# Altium PCB spd150.PcbDoc (part 1 of 16) (continued)
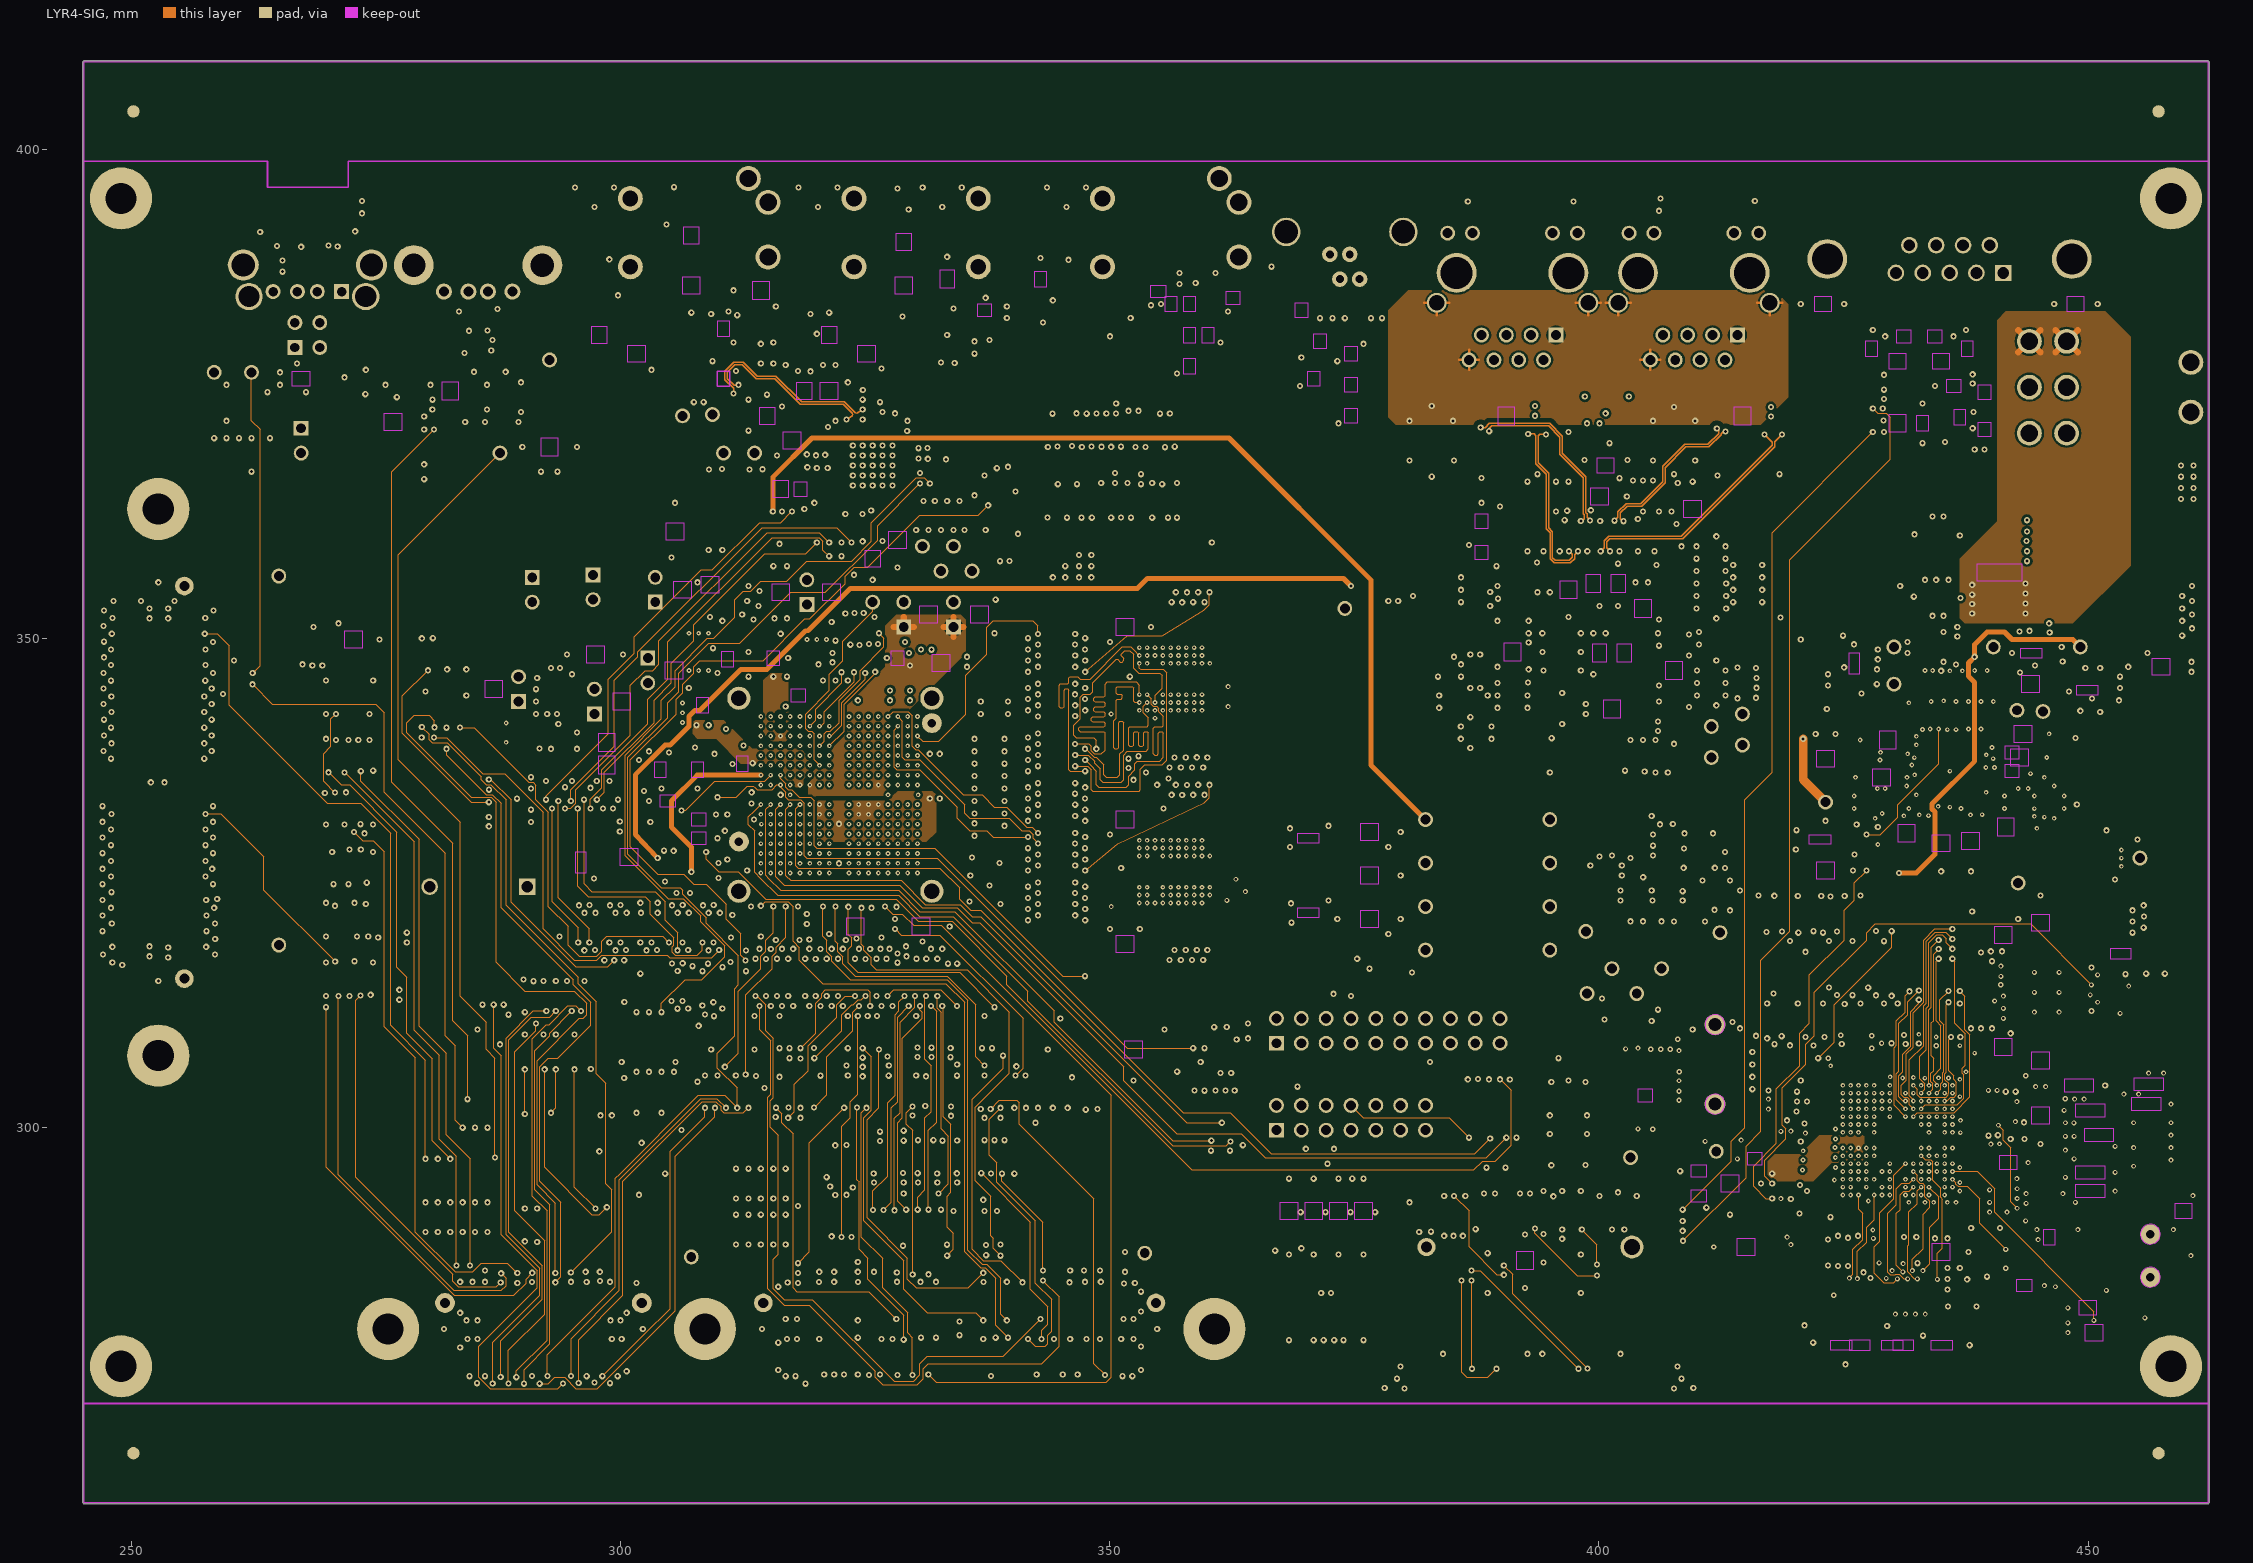
[diagram p4: LYR4-SIG]
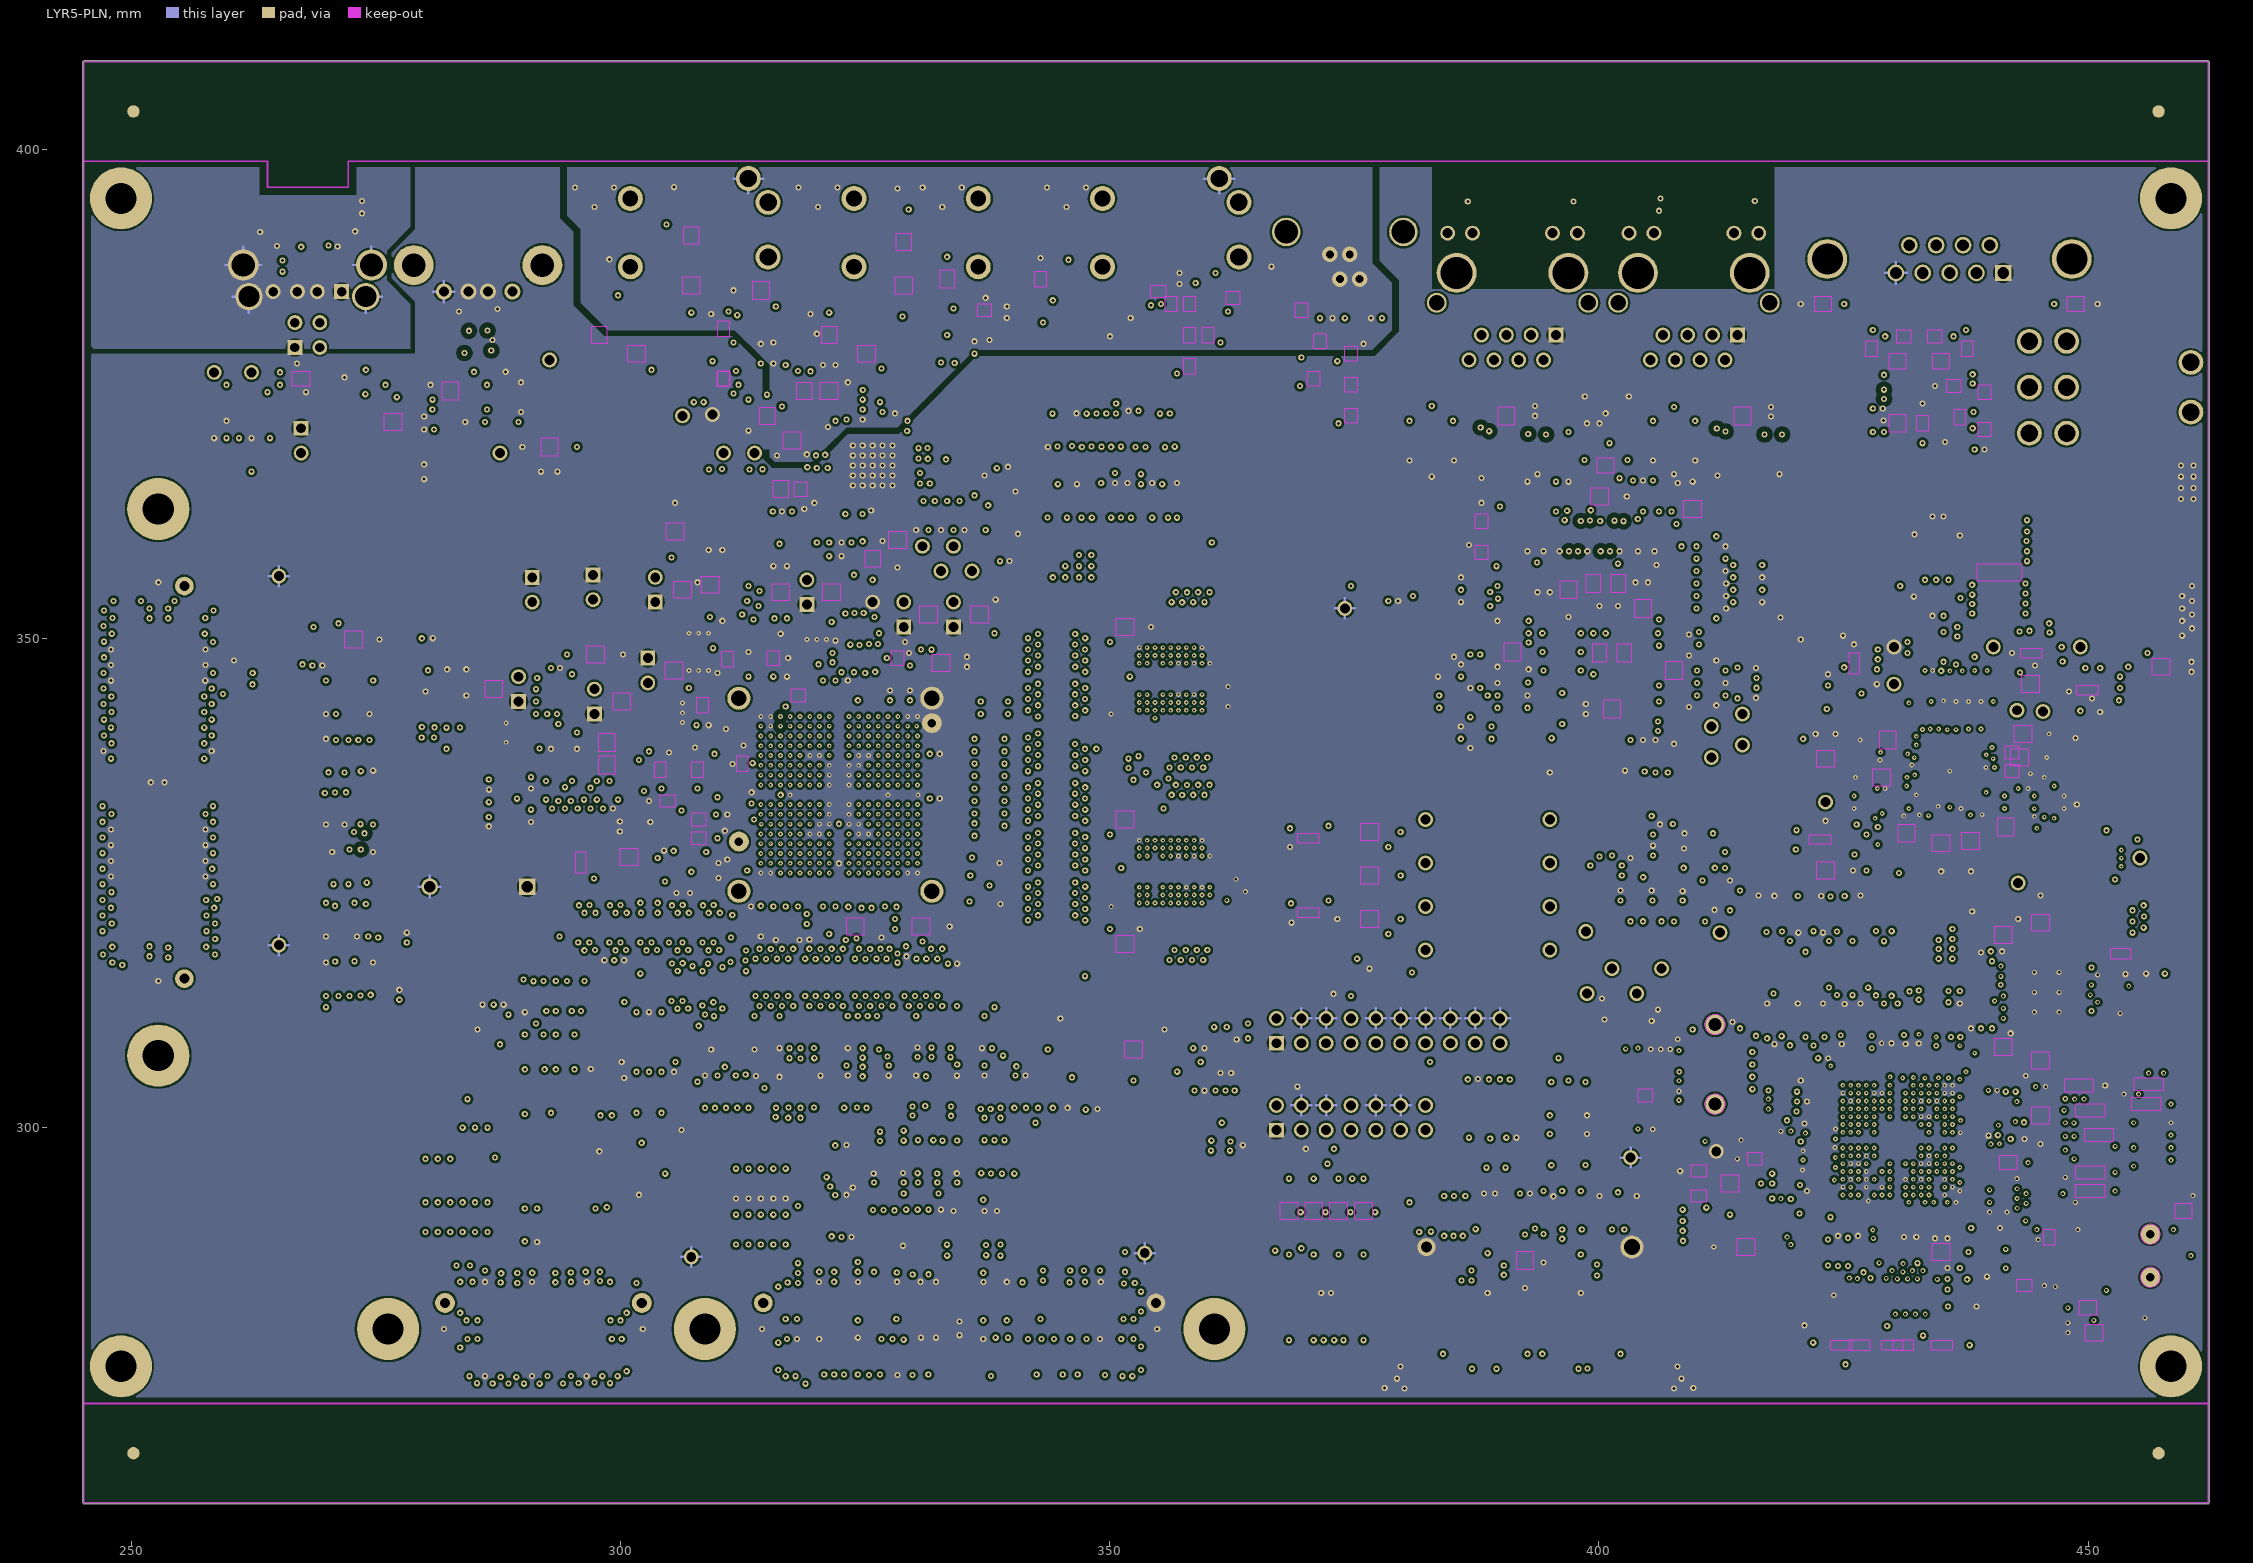
[diagram p5: LYR5-PLN]
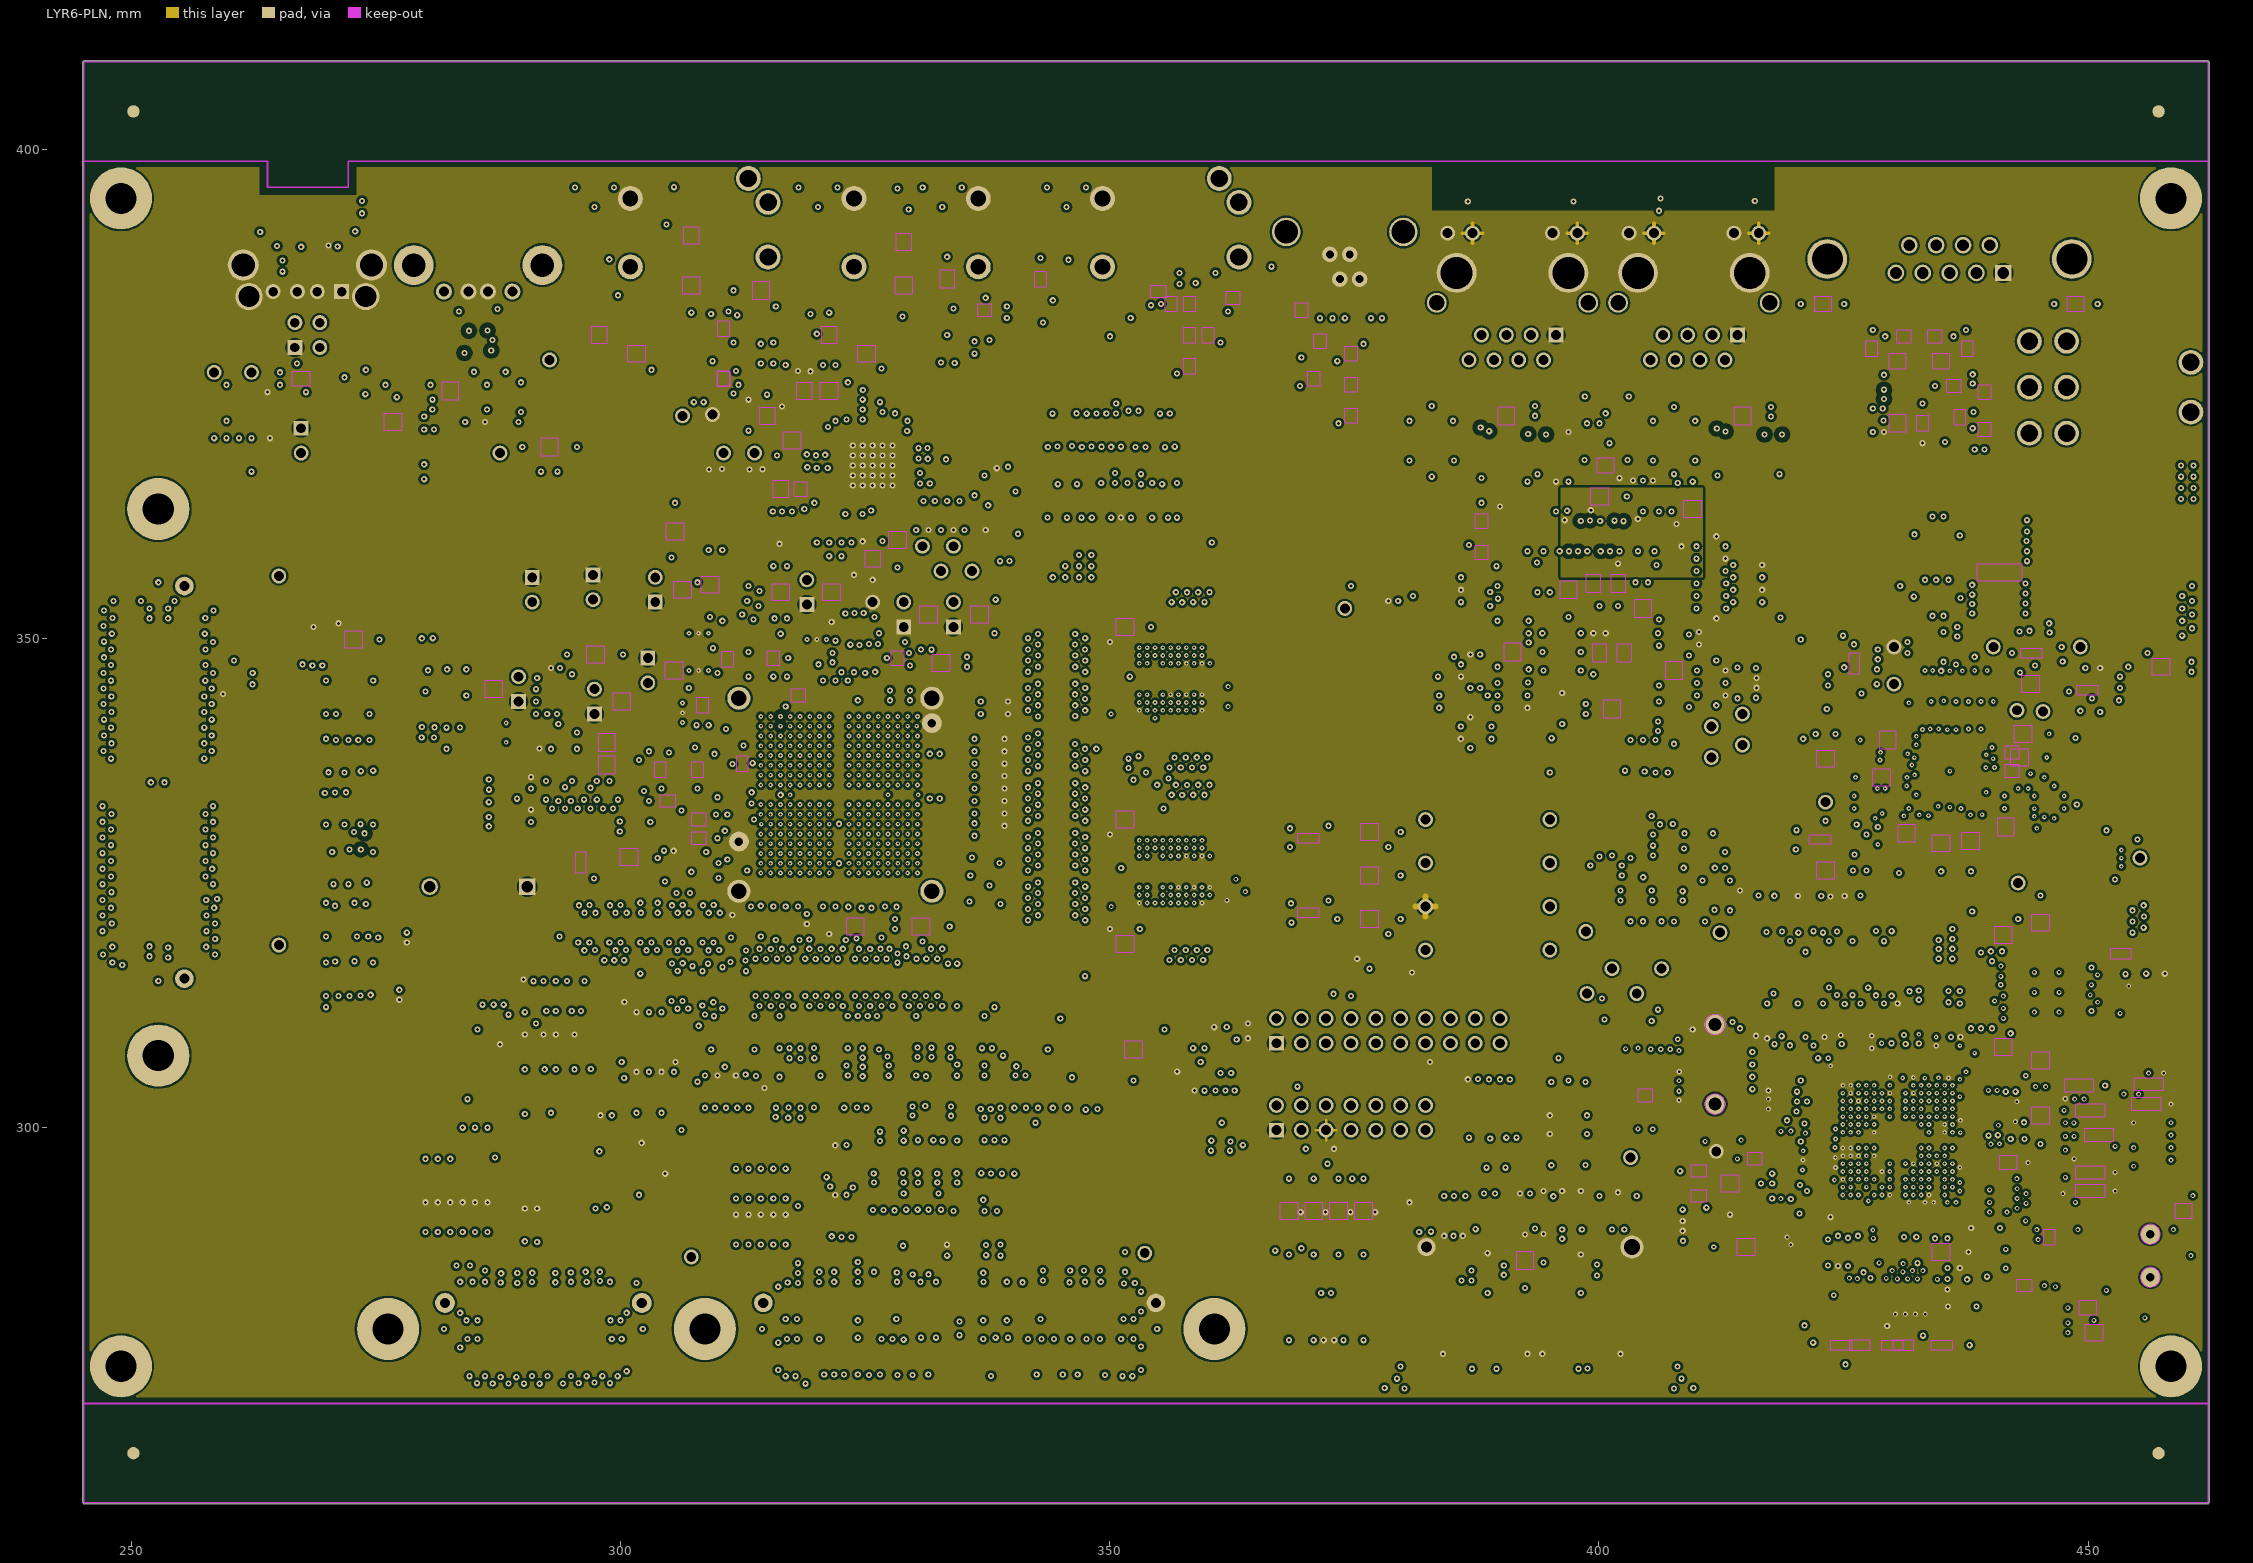
[diagram p6: LYR6-PLN]
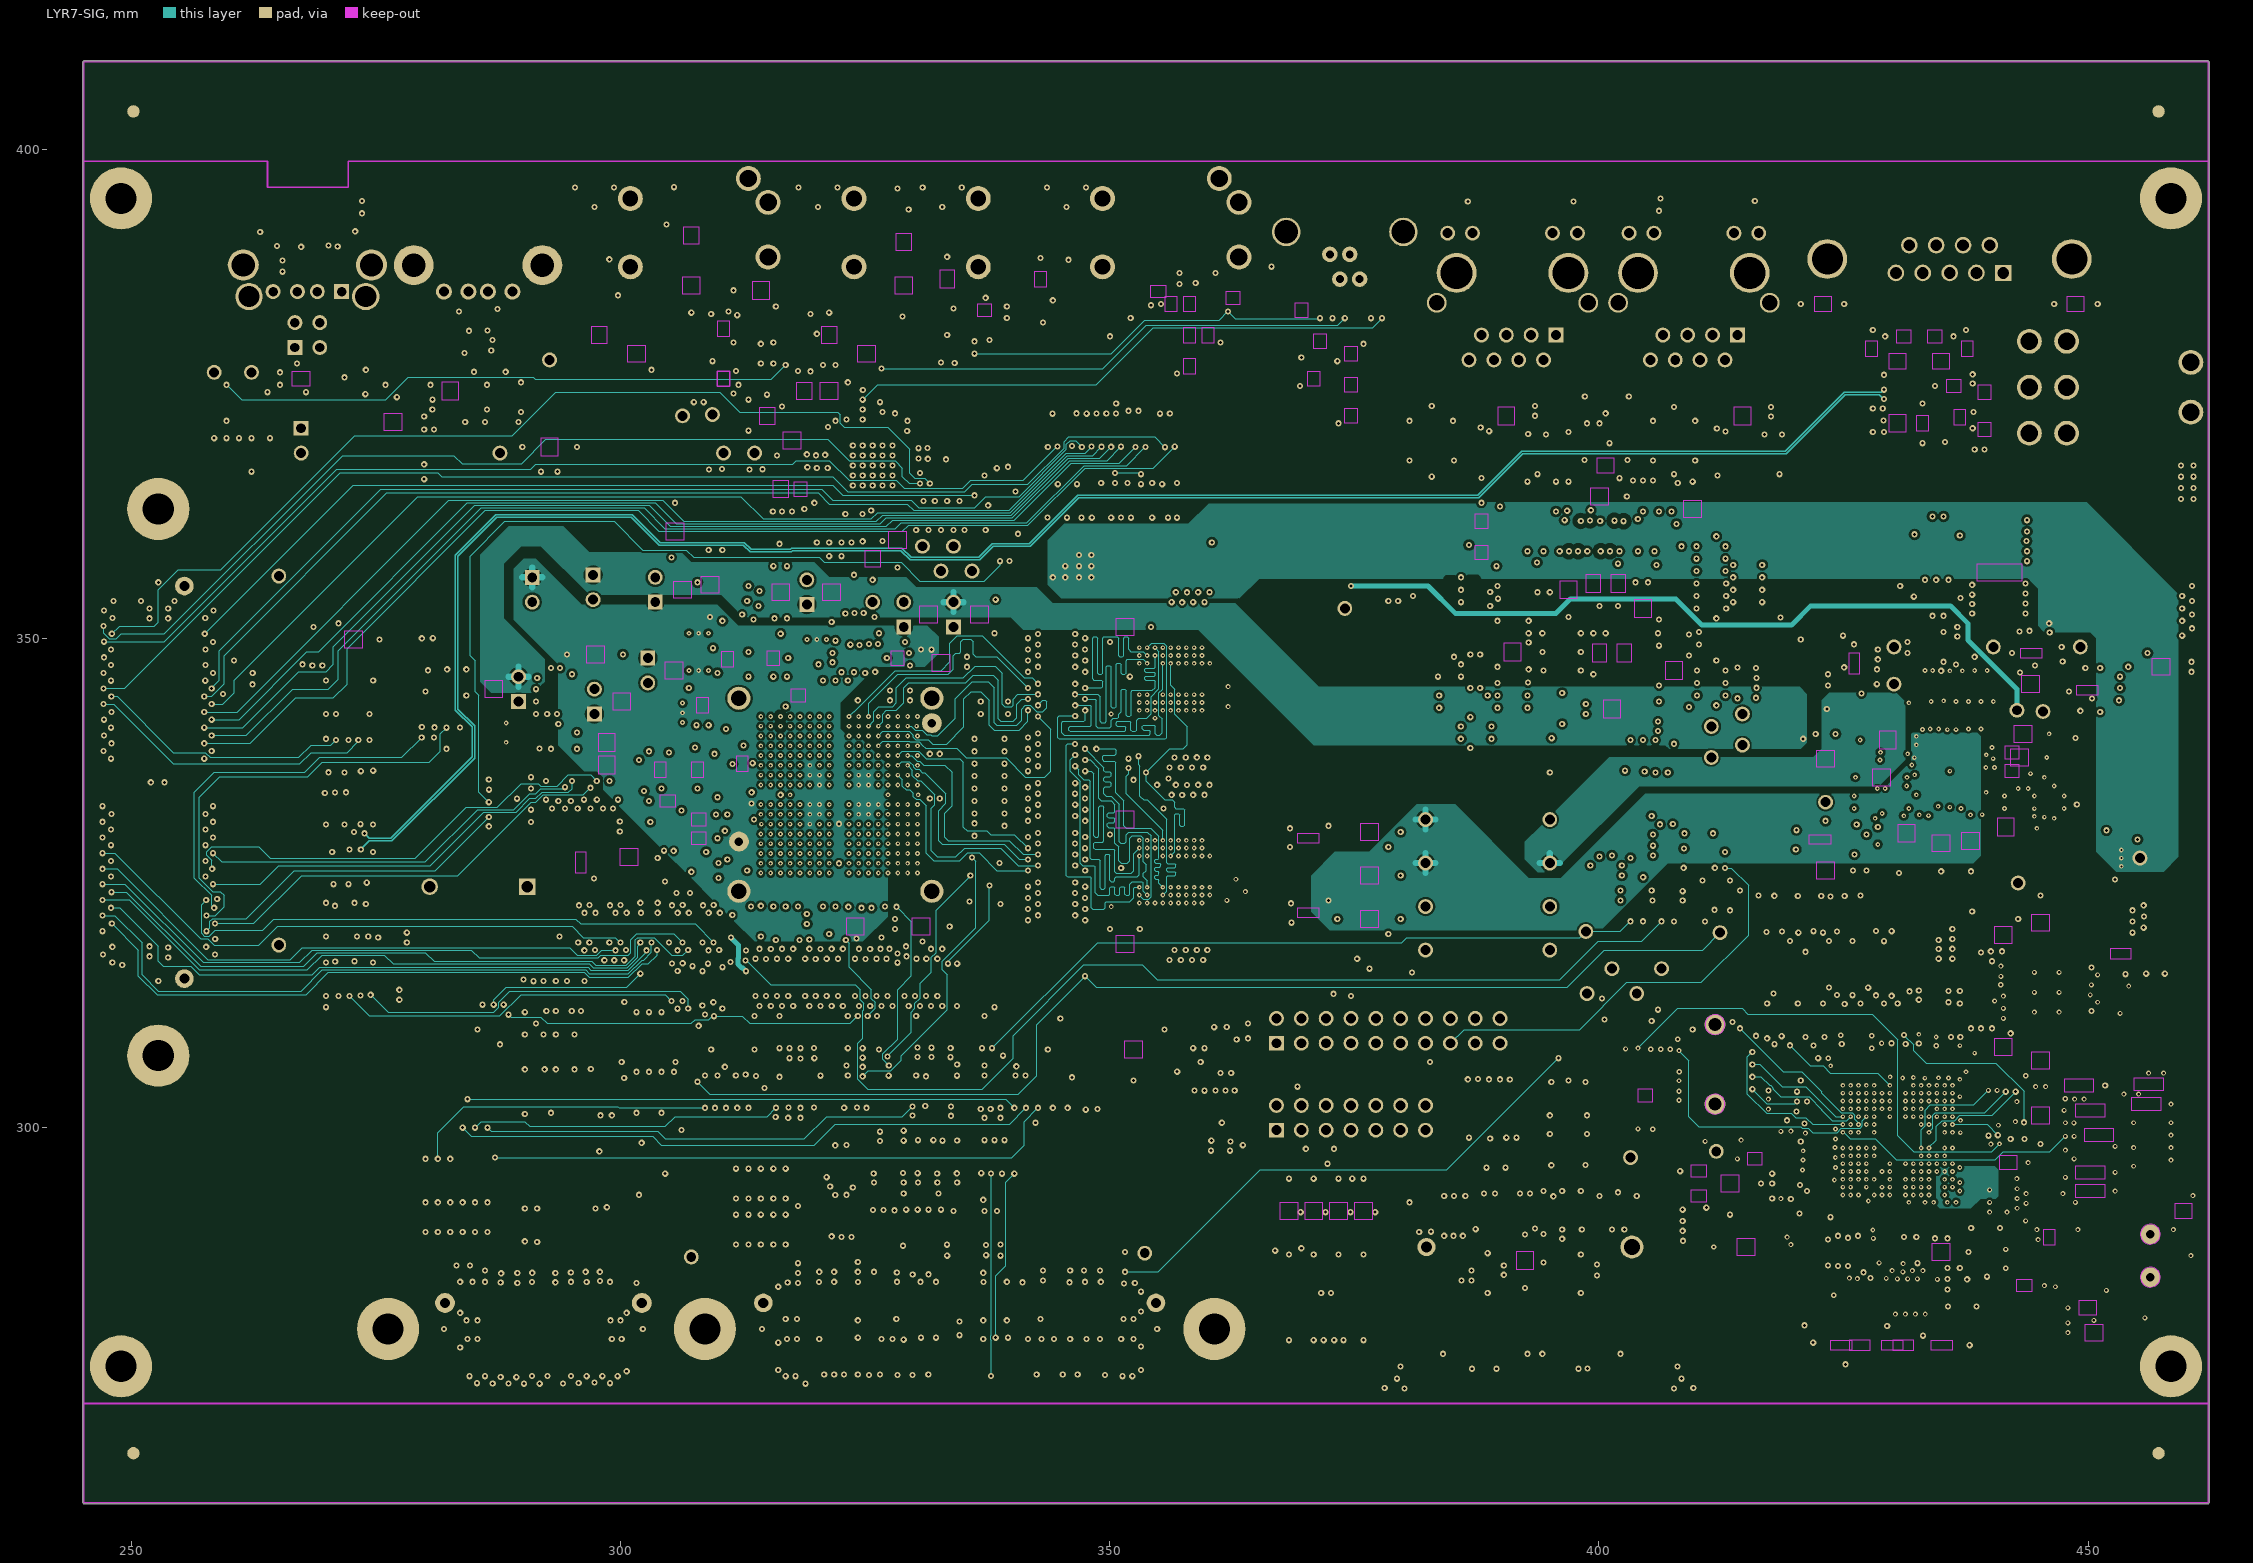
[diagram p7: LYR7-SIG]

## Text inside footprints (layer, text, board x,y; h text height)
RN501: PIN_NUMBER "13" at 425.684,283.769 h0.25 r90; PIN_NUMBER "14" at 425.186,283.769 h0.25 r90; PIN_NUMBER "2" at 424.891,282.016 h0.25 r90; PIN_NUMBER "3" at 425.389,282.016 h0.25 r90; PIN_NUMBER "4" at 425.887,282.016 h0.25 r90; PIN_NUMBER "9" at 427.954,283.642 h0.25 r90; PIN_NUMBER "8" at 427.954,282.016 h0.25 r90; PIN_NUMBER "10" at 427.177,283.769 h0.25 r90; PIN_NUMBER "7" at 427.38,282.016 h0.25 r90; PIN_NUMBER "11" at 426.679,283.769 h0.25 r90; PIN_NUMBER "6" at 426.883,282.016 h0.25 r90; PIN_NUMBER "12" at 426.182,283.769 h0.25 r90; PIN_NUMBER "5" at 426.385,282.016 h0.25 r90; PIN_NUMBER "15" at 424.688,283.769 h0.25 r90; PIN_NUMBER "16" at 424.114,283.769 h0.25 r90; PIN_NUMBER "1" at 424.317,282.016 h0.25 r90; ASSEMBLY_TOP "RN10K" at 424.343,279.908 h1.02; ASSEMBLY_TOP "TOL" at 424.216,279.908 h1.02; ASSEMBLY_TOP "PART#" at 424.216,279.908 h1.02
RN502: PIN_NUMBER "8" at 432.907,282.016 h0.25 r90; PIN_NUMBER "7" at 432.333,282.016 h0.25 r90; PIN_NUMBER "6" at 431.836,282.016 h0.25 r90; PIN_NUMBER "5" at 431.338,282.016 h0.25 r90; PIN_NUMBER "4" at 430.84,282.016 h0.25 r90; PIN_NUMBER "3" at 430.342,282.016 h0.25 r90; PIN_NUMBER "11" at 431.632,283.769 h0.25 r90; PIN_NUMBER "14" at 430.139,283.769 h0.25 r90; PIN_NUMBER "12" at 431.135,283.769 h0.25 r90; PIN_NUMBER "9" at 432.907,283.642 h0.25 r90; PIN_NUMBER "10" at 432.13,283.769 h0.25 r90; PIN_NUMBER "13" at 430.637,283.769 h0.25 r90; PIN_NUMBER "15" at 429.641,283.769 h0.25 r90; PIN_NUMBER "2" at 429.844,282.016 h0.25 r90; PIN_NUMBER "16" at 429.067,283.769 h0.25 r90; PIN_NUMBER "1" at 429.27,282.016 h0.25 r90; ASSEMBLY_TOP "RN10K" at 429.296,279.908 h1.02; ASSEMBLY_TOP "TOL" at 429.169,279.908 h1.02; ASSEMBLY_TOP "PART#" at 429.169,279.908 h1.02
RN503: PIN_NUMBER "4" at 417.995,301.564 h0.25; PIN_NUMBER "3" at 417.995,302.138 h0.25; PIN_NUMBER "2" at 417.995,302.636 h0.25; PIN_NUMBER "1" at 417.995,303.21 h0.25; PIN_NUMBER "6" at 419.163,302.138 h0.25; PIN_NUMBER "5" at 419.163,301.564 h0.25; PIN_NUMBER "8" at 419.163,303.21 h0.25; PIN_NUMBER "7" at 419.163,302.636 h0.25; ASSEMBLY_TOP "RN10K" at 415.798,303.388 h1.02 r270; ASSEMBLY_TOP "TOL" at 415.798,303.515 h1.02 r270; ASSEMBLY_TOP "PART#" at 415.798,303.515 h1.02 r270
RN504: PIN_NUMBER "6" at 445.999,293.736 h0.25 r180; PIN_NUMBER "5" at 445.999,293.238 h0.25 r180; PIN_NUMBER "4" at 445.999,292.74 h0.25 r180; PIN_NUMBER "3" at 445.999,292.242 h0.25 r180; PIN_NUMBER "2" at 445.999,291.744 h0.25 r180; PIN_NUMBER "1" at 445.999,291.17 h0.25 r180; PIN_NUMBER "14" at 444.043,292.242 h0.25 r180; PIN_NUMBER "13" at 444.043,292.74 h0.25 r180; PIN_NUMBER "16" at 444.043,291.17 h0.25 r180; PIN_NUMBER "12" at 444.043,293.238 h0.25 r180; PIN_NUMBER "15" at 444.043,291.744 h0.25 r180; PIN_NUMBER "11" at 444.043,293.736 h0.25 r180; PIN_NUMBER "9" at 444.373,294.808 h0.25 r180; PIN_NUMBER "8" at 445.999,294.808 h0.25 r180; PIN_NUMBER "10" at 444.043,294.234 h0.25 r180; PIN_NUMBER "7" at 445.999,294.234 h0.25 r180; ASSEMBLY_TOP "10K" at 448.31,290.993 h1.02 r90; ASSEMBLY_TOP "TOL" at 448.31,290.866 h1.02 r90; ASSEMBLY_TOP "PART#" at 448.31,290.866 h1.02 r90
SW1: PIN_NUMBER "1" at 394.797,297.764 h0.81; PIN_NUMBER "3" at 398.302,297.764 h0.81; PIN_NUMBER "6" at 398.302,302.946 h0.81; PIN_NUMBER "4" at 394.797,302.946 h0.81; PIN_NUMBER "5" at 396.55,302.946 h0.81; PIN_NUMBER "2" at 396.55,297.764 h0.81; ASSEMBLY_TOP "CASD20TB" at 394.335,302.26 h1.02; ASSEMBLY_TOP "X" at 396.748,302.26 h1.02; ASSEMBLY_TOP "X" at 397.891,302.26 h1.02
SW2: PIN_NUMBER "8" at 316.459,297.18 h1.02; PIN_NUMBER "5" at 316.459,289.56 h1.02; PIN_NUMBER "10" at 313.512,297.18 h1.02; PIN_NUMBER "9" at 315.189,297.18 h1.02; PIN_NUMBER "11" at 312.242,297.18 h1.02; PIN_NUMBER "12" at 310.972,297.18 h1.02; PIN_NUMBER "1" at 311.379,289.56 h1.02; PIN_NUMBER "2" at 312.649,289.56 h1.02; PIN_NUMBER "3" at 313.919,289.56 h1.02; PIN_NUMBER "4" at 315.189,289.56 h1.02; PIN_NUMBER "7" at 317.729,297.18 h1.02; PIN_NUMBER "6" at 317.729,289.56 h1.02; ASSEMBLY_TOP "X" at 314.706,295.275 h1.02; ASSEMBLY_TOP "X" at 313.563,295.275 h1.02; ASSEMBLY_TOP "DIP_SWITCH_6" at 311.15,295.275 h1.02
SW3: PIN_NUMBER "1" at 367.894,276.352 h1.02; PIN_NUMBER "2" at 370.434,276.352 h1.02; PIN_NUMBER "3" at 372.974,276.352 h1.02; PIN_NUMBER "4" at 375.514,276.352 h1.02; PIN_NUMBER "6" at 372.974,284.988 h1.02; PIN_NUMBER "7" at 370.434,284.988 h1.02; PIN_NUMBER "8" at 367.894,284.988 h1.02; PIN_NUMBER "5" at 375.514,284.988 h1.02; ASSEMBLY_TOP "X" at 371.856,282.575 h1.02; ASSEMBLY_TOP "X" at 370.713,282.575 h1.02; ASSEMBLY_TOP "LOW PROFILE DIP-4" at 368.3,282.575 h1.02
SW4: PIN_NUMBER "B" at 454.228,333.019 h1.02; PIN_NUMBER "B1" at 453.822,339.827 h1.02; PIN_NUMBER "A" at 449.707,333.019 h1.02; PIN_NUMBER "A1" at 449.301,339.827 h1.02; ASSEMBLY_TOP "X" at 454.66,338.328 h1.02; ASSEMBLY_TOP "X" at 453.517,338.328 h1.02; ASSEMBLY_TOP "PUSHBUTTON SW" at 451.104,338.328 h1.02
SW5: PIN_NUMBER "5" at 284.709,290.83 h1.02; PIN_NUMBER "6" at 285.979,290.83 h1.02; PIN_NUMBER "12" at 279.222,298.45 h1.02; PIN_NUMBER "10" at 281.762,298.45 h1.02; PIN_NUMBER "11" at 280.492,298.45 h1.02; PIN_NUMBER "4" at 283.439,290.83 h1.02; PIN_NUMBER "3" at 282.169,290.83 h1.02; PIN_NUMBER "2" at 280.899,290.83 h1.02; PIN_NUMBER "1" at 279.629,290.83 h1.02; PIN_NUMBER "7" at 285.979,298.45 h1.02; PIN_NUMBER "8" at 284.709,298.45 h1.02; PIN_NUMBER "9" at 283.439,298.45 h1.02; ASSEMBLY_TOP "X" at 282.956,296.545 h1.02; ASSEMBLY_TOP "X" at 281.813,296.545 h1.02; ASSEMBLY_TOP "DIP_SWITCH_6" at 279.4,296.545 h1.02
SW6: PIN_NUMBER "4" at 443.205,380.873 h1.02 r270; PIN_NUMBER "1" at 447.015,380.873 h1.02 r270; PIN_NUMBER "5" at 443.078,375.539 h1.02 r270; PIN_NUMBER "2" at 446.888,375.539 h1.02 r270; PIN_NUMBER "6" at 443.078,371.094 h1.02 r270; PIN_NUMBER "3" at 446.888,371.094 h1.02 r270; PIN_NUMBER "8" at 459.588,373.253 h1.02 r270; PIN_NUMBER "7" at 459.715,378.714 h1.02 r270; ASSEMBLY_TOP "SWITCH" at 449.199,376.428 h0.89 r270; ASSEMBLY_TOP "X" at 449.199,375.666 h0.89 r270; ASSEMBLY_TOP "X" at 449.199,374.904 h0.89 r270
TP1: PIN_NUMBER "1" at 258.039,377.19 h1.02; SYMB_DIM "TP1-60X40" at 260.985,382.27 h1.02; SYMB_DIM "SM  68X48RD" at 260.985,374.65 h1.02; SYMB_DIM "PAD 60X40RD" at 260.985,379.095 h1.02
TP2: PIN_NUMBER "1" at 261.849,377.19 h1.02; SYMB_DIM "TP1-60X40" at 264.795,382.27 h1.02; SYMB_DIM "SM  68X48RD" at 264.795,374.65 h1.02; SYMB_DIM "PAD 60X40RD" at 264.795,379.095 h1.02
TP3: PIN_NUMBER "1" at 335.813,337.185 h0.89; SYMB_DIM "TP1-60X40" at 338.709,342.265 h1.02; SYMB_DIM "SM  68X48RD" at 338.709,334.645 h1.02; SYMB_DIM "PAD 60X40RD" at 338.709,339.09 h1.02
TP4: PIN_NUMBER "1" at 292.329,378.46 h1.02; SYMB_DIM "TP1-60X40" at 295.275,383.54 h1.02; SYMB_DIM "SM  68X48RD" at 295.275,375.92 h1.02; SYMB_DIM "PAD 60X40RD" at 295.275,380.365 h1.02
TP5: PIN_NUMBER "1" at 287.249,368.935 h1.02; SYMB_DIM "TP1-60X40" at 290.195,374.015 h1.02; SYMB_DIM "SM  68X48RD" at 290.195,366.395 h1.02; SYMB_DIM "PAD 60X40RD" at 290.195,370.84 h1.02
TP6: PIN_NUMBER "1" at 325.349,353.695 h1.02; SYMB_DIM "TP1-60X40" at 328.295,358.775 h1.02; SYMB_DIM "SM  68X48RD" at 328.295,351.155 h1.02; SYMB_DIM "PAD 60X40RD" at 328.295,355.6 h1.02
TP7: PIN_NUMBER "1" at 313.284,368.935 h1.02; SYMB_DIM "TP1-60X40" at 316.23,374.015 h1.02; SYMB_DIM "SM  68X48RD" at 316.23,366.395 h1.02; SYMB_DIM "PAD 60X40RD" at 316.23,370.84 h1.02
TP8: PIN_NUMBER "1" at 310.109,368.935 h1.02; SYMB_DIM "TP1-60X40" at 313.055,374.015 h1.02; SYMB_DIM "SM  68X48RD" at 313.055,366.395 h1.02; SYMB_DIM "PAD 60X40RD" at 313.055,370.84 h1.02
TP9: PIN_NUMBER "1" at 330.429,359.41 h1.02; SYMB_DIM "TP1-60X40" at 333.375,364.49 h1.02; SYMB_DIM "SM  68X48RD" at 333.375,356.87 h1.02; SYMB_DIM "PAD 60X40RD" at 333.375,361.315 h1.02
TP10: PIN_NUMBER "1" at 332.334,356.87 h1.02; SYMB_DIM "TP1-60X40" at 335.28,361.95 h1.02; SYMB_DIM "SM  68X48RD" at 335.28,354.33 h1.02; SYMB_DIM "PAD 60X40RD" at 335.28,358.775 h1.02
TP11: PIN_NUMBER "1" at 333.604,359.41 h1.02; SYMB_DIM "TP1-60X40" at 336.55,364.49 h1.02; SYMB_DIM "SM  68X48RD" at 336.55,356.87 h1.02; SYMB_DIM "PAD 60X40RD" at 336.55,361.315 h1.02
TP12: PIN_NUMBER "1" at 335.509,356.87 h1.02; SYMB_DIM "TP1-60X40" at 338.455,361.95 h1.02; SYMB_DIM "SM  68X48RD" at 338.455,354.33 h1.02; SYMB_DIM "PAD 60X40RD" at 338.455,358.775 h1.02
TP13: PIN_NUMBER "1" at 411.074,337.82 h1.02; SYMB_DIM "TP1-60X40" at 414.02,342.9 h1.02; SYMB_DIM "SM  68X48RD" at 414.02,335.28 h1.02; SYMB_DIM "PAD 60X40RD" at 414.02,339.725 h1.02
TP14: PIN_NUMBER "1" at 414.249,339.09 h1.02; SYMB_DIM "TP1-60X40" at 417.195,344.17 h1.02; SYMB_DIM "SM  68X48RD" at 417.195,336.55 h1.02; SYMB_DIM "PAD 60X40RD" at 417.195,340.995 h1.02
TP15: PIN_NUMBER "1" at 411.074,340.995 h1.02; SYMB_DIM "TP1-60X40" at 414.02,346.075 h1.02; SYMB_DIM "SM  68X48RD" at 414.02,338.455 h1.02; SYMB_DIM "PAD 60X40RD" at 414.02,342.9 h1.02
TP16: PIN_NUMBER "1" at 414.249,342.265 h1.02; SYMB_DIM "TP1-60X40" at 417.195,347.345 h1.02; SYMB_DIM "SM  68X48RD" at 417.195,339.725 h1.02; SYMB_DIM "PAD 60X40RD" at 417.195,344.17 h1.02
TP17: PIN_NUMBER "1" at 394.564,322.58 h1.02; SYMB_DIM "TP1-60X40" at 397.51,327.66 h1.02; SYMB_DIM "SM  68X48RD" at 397.51,320.04 h1.02; SYMB_DIM "PAD 60X40RD" at 397.51,324.485 h1.02
TP18: PIN_NUMBER "1" at 381.864,322.58 h1.02; SYMB_DIM "TP1-60X40" at 384.81,327.66 h1.02; SYMB_DIM "SM  68X48RD" at 384.81,320.04 h1.02; SYMB_DIM "PAD 60X40RD" at 384.81,324.485 h1.02
TP19: PIN_NUMBER "1" at 442.443,324.993 h1.02; SYMB_DIM "TP1-60X40" at 445.389,330.073 h1.02; SYMB_DIM "SM  68X48RD" at 445.389,322.453 h1.02; SYMB_DIM "PAD 60X40RD" at 445.389,326.898 h1.02
TP20: PIN_NUMBER "1" at 454.889,327.533 h1.02; SYMB_DIM "TP1-60X40" at 457.835,332.613 h1.02; SYMB_DIM "SM  68X48RD" at 457.835,324.993 h1.02; SYMB_DIM "PAD 60X40RD" at 457.835,329.438 h1.02
TP21: PIN_NUMBER "1" at 394.564,318.135 h1.02; SYMB_DIM "TP1-60X40" at 397.51,323.215 h1.02; SYMB_DIM "SM  68X48RD" at 397.51,315.595 h1.02; SYMB_DIM "PAD 60X40RD" at 397.51,320.04 h1.02
TP22: PIN_NUMBER "1" at 381.864,318.135 h1.02; SYMB_DIM "TP1-60X40" at 384.81,323.215 h1.02; SYMB_DIM "SM  68X48RD" at 384.81,315.595 h1.02; SYMB_DIM "PAD 60X40RD" at 384.81,320.04 h1.02
TP23: PIN_NUMBER "1" at 381.864,327.025 h1.02 r90; SYMB_DIM "TP1-60X40" at 377.19,329.565 h1.02 r90; SYMB_DIM "SM  68X48RD" at 384.81,329.565 h1.02 r90; SYMB_DIM "PAD 60X40RD" at 380.365,329.565 h1.02 r90
TP24: PIN_NUMBER "1" at 394.564,327.025 h1.02 r90; SYMB_DIM "TP1-60X40" at 389.89,329.565 h1.02 r90; SYMB_DIM "SM  68X48RD" at 397.51,329.565 h1.02 r90; SYMB_DIM "PAD 60X40RD" at 393.065,329.565 h1.02 r90
TP25: PIN_NUMBER "1" at 381.864,331.47 h1.02; SYMB_DIM "TP1-60X40" at 384.81,336.55 h1.02; SYMB_DIM "SM  68X48RD" at 384.81,328.93 h1.02; SYMB_DIM "PAD 60X40RD" at 384.81,333.375 h1.02
TP26: PIN_NUMBER "1" at 394.564,331.47 h1.02; SYMB_DIM "TP1-60X40" at 397.51,336.55 h1.02; SYMB_DIM "SM  68X48RD" at 397.51,328.93 h1.02; SYMB_DIM "PAD 60X40RD" at 397.51,333.375 h1.02
TP27: PIN_NUMBER "1" at 429.743,345.313 h1.02; SYMB_DIM "TP1-60X40" at 432.689,350.393 h1.02; SYMB_DIM "SM  68X48RD" at 432.689,342.773 h1.02; SYMB_DIM "PAD 60X40RD" at 432.689,347.218 h1.02
TP28: PIN_NUMBER "1" at 442.316,342.646 h1.02; SYMB_DIM "TP1-60X40" at 445.262,347.726 h1.02; SYMB_DIM "SM  68X48RD" at 445.262,340.106 h1.02; SYMB_DIM "PAD 60X40RD" at 445.262,344.551 h1.02
TP29: PIN_NUMBER "1" at 444.983,342.519 h1.02; SYMB_DIM "TP1-60X40" at 447.929,347.599 h1.02; SYMB_DIM "SM  68X48RD" at 447.929,339.979 h1.02; SYMB_DIM "PAD 60X40RD" at 447.929,344.424 h1.02
TP30: PIN_NUMBER "1" at 439.903,349.123 h1.02 r270; SYMB_DIM "TP1-60X40" at 445.389,346.583 h1.02 r270; SYMB_DIM "SM  68X48RD" at 437.769,346.583 h1.02 r270; SYMB_DIM "PAD 60X40RD" at 442.214,346.583 h1.02 r270
TP31: PIN_NUMBER "1" at 429.743,349.123 h1.02 r180; SYMB_DIM "TP1-60X40" at 427.609,344.043 h1.02 r180; SYMB_DIM "SM  68X48RD" at 427.609,351.663 h1.02 r180; SYMB_DIM "PAD 60X40RD" at 427.609,347.218 h1.02 r180
TP32: PIN_NUMBER "1" at 448.793,349.123 h1.02 r270; SYMB_DIM "TP1-60X40" at 454.279,346.583 h1.02 r270; SYMB_DIM "SM  68X48RD" at 446.659,346.583 h1.02 r270; SYMB_DIM "PAD 60X40RD" at 451.104,346.583 h1.02 r270
TP33: PIN_NUMBER "1" at 430.378,354.203 h1.02; ASSEMBLY_TOP "USERPART#" at 430.784,350.393 h0.64; ASSEMBLY_TOP "TOLERANCE" at 430.784,351.663 h0.64; ASSEMBLY_TOP "TP-30" at 430.784,354.203 h0.64; SYMBOL_PART_DIM "PAD 38RD" at 430.784,350.393 h0.64
TP34: PIN_NUMBER "1" at 422.758,333.248 h1.02 r270; SYMB_DIM "TP1-60X40" at 428.244,330.708 h1.02 r270; SYMB_DIM "SM  68X48RD" at 420.624,330.708 h1.02 r270; SYMB_DIM "PAD 60X40RD" at 425.069,330.708 h1.02 r270
TP35: PIN_NUMBER "1" at 400.914,316.23 h1.02; SYMB_DIM "TP1-60X40" at 403.86,321.31 h1.02; SYMB_DIM "SM  68X48RD" at 403.86,313.69 h1.02; SYMB_DIM "PAD 60X40RD" at 403.86,318.135 h1.02
TP36: PIN_NUMBER "1" at 403.454,313.69 h1.02; SYMB_DIM "TP1-60X40" at 406.4,318.77 h1.02; SYMB_DIM "SM  68X48RD" at 406.4,311.15 h1.02; SYMB_DIM "PAD 60X40RD" at 406.4,315.595 h1.02
TP37: PIN_NUMBER "1" at 398.374,313.69 h1.02; SYMB_DIM "TP1-60X40" at 401.32,318.77 h1.02; SYMB_DIM "SM  68X48RD" at 401.32,311.15 h1.02; SYMB_DIM "PAD 60X40RD" at 401.32,315.595 h1.02
TP38: PIN_NUMBER "1" at 405.994,316.23 h1.02; SYMB_DIM "TP1-60X40" at 408.94,321.31 h1.02; SYMB_DIM "SM  68X48RD" at 408.94,313.69 h1.02; SYMB_DIM "PAD 60X40RD" at 408.94,318.135 h1.02
TP39: PIN_NUMBER "1" at 305.918,372.745 h1.02; SYMB_DIM "TP1-60X40" at 308.864,377.825 h1.02; SYMB_DIM "SM  68X48RD" at 308.864,370.205 h1.02; SYMB_DIM "PAD 60X40RD" at 308.864,374.65 h1.02
TP40: PIN_NUMBER "1" at 308.966,372.872 h1.02; SYMB_DIM "TP1-60X40" at 311.912,377.952 h1.02; SYMB_DIM "SM  68X48RD" at 311.912,370.332 h1.02; SYMB_DIM "PAD 60X40RD" at 311.912,374.777 h1.02
TP41: PIN_NUMBER "1" at 264.643,356.362 h1.02; SYMB_DIM "TP1-60X40" at 267.589,361.442 h1.02; SYMB_DIM "SM  68X48RD" at 267.589,353.822 h1.02; SYMB_DIM "PAD 60X40RD" at 267.589,358.267 h1.02
TP42: PIN_NUMBER "1" at 264.643,318.643 h1.02; SYMB_DIM "TP1-60X40" at 267.589,323.723 h1.02; SYMB_DIM "SM  68X48RD" at 267.589,316.103 h1.02; SYMB_DIM "PAD 60X40RD" at 267.589,320.548 h1.02
TP43: PIN_NUMBER "1" at 306.807,286.766 h1.02; SYMB_DIM "TP1-60X40" at 309.753,291.846 h1.02; SYMB_DIM "SM  68X48RD" at 309.753,284.226 h1.02; SYMB_DIM "PAD 60X40RD" at 309.753,288.671 h1.02
TP44: PIN_NUMBER "1" at 353.162,287.147 h1.02; SYMB_DIM "TP1-60X40" at 356.108,292.227 h1.02; SYMB_DIM "SM  68X48RD" at 356.108,284.607 h1.02; SYMB_DIM "PAD 60X40RD" at 356.108,289.052 h1.02
TP45: PIN_NUMBER "1" at 402.819,296.926 h1.02; SYMB_DIM "TP1-60X40" at 405.765,302.006 h1.02; SYMB_DIM "SM  68X48RD" at 405.765,294.386 h1.02; SYMB_DIM "PAD 60X40RD" at 405.765,298.831 h1.02
TP46: PIN_NUMBER "1" at 373.609,353.06 h1.02; SYMB_DIM "TP1-60X40" at 376.555,358.14 h1.02; SYMB_DIM "SM  68X48RD" at 376.555,350.52 h1.02; SYMB_DIM "PAD 60X40RD" at 376.555,354.965 h1.02
TP47: PIN_NUMBER "1" at 411.963,319.913 h1.02; SYMB_DIM "TP1-60X40" at 414.909,324.993 h1.02; SYMB_DIM "SM  68X48RD" at 414.909,317.373 h1.02; SYMB_DIM "PAD 60X40RD" at 414.909,321.818 h1.02
TP48: PIN_NUMBER "1" at 398.247,320.04 h1.02; SYMB_DIM "TP1-60X40" at 401.193,325.12 h1.02; SYMB_DIM "SM  68X48RD" at 401.193,317.5 h1.02; SYMB_DIM "PAD 60X40RD" at 401.193,321.945 h1.02
TP507: PIN_NUMBER "1" at 434.188,285.496 h1.02 r180; ASSEMBLY_BOTTOM "USERPART#" at 434.594,289.306 h0.64 r180; ASSEMBLY_BOTTOM "TOLERANCE" at 434.594,288.036 h0.64 r180; ASSEMBLY_BOTTOM "NO-POP" at 434.594,285.496 h0.64 r180; SYMBOL_PART_DIM "PAD 38RD" at 434.594,289.306 h0.64 r180
TP508: PIN_NUMBER "1" at 437.744,308.864 h1.02 r180; ASSEMBLY_TOP "USERPART#" at 438.15,312.674 h0.64 r180; ASSEMBLY_TOP "TOLERANCE" at 438.15,311.404 h0.64 r180; ASSEMBLY_TOP "NO-POP" at 438.15,308.864 h0.64 r180; SYMBOL_PART_DIM "PAD 38RD" at 438.15,312.674 h0.64 r180
TP513: PIN_NUMBER "1" at 416.789,305.435 h1.02 r270; ASSEMBLY_BOTTOM "USERPART#" at 413.385,305.435 h0.64 r270; ASSEMBLY_BOTTOM "TOLERANCE" at 414.655,305.435 h0.64 r270; ASSEMBLY_BOTTOM "NO-POP" at 417.195,305.435 h0.64 r270; SYMBOL_PART_DIM "PAD 38RD" at 413.385,305.435 h0.64 r270
TP514: PIN_NUMBER "1" at 421.869,299.974 h1.02 r180; ASSEMBLY_TOP "USERPART#" at 422.275,303.784 h0.64 r180; ASSEMBLY_TOP "TOLERANCE" at 422.275,302.514 h0.64 r180; ASSEMBLY_TOP "NO-POP" at 422.275,299.974 h0.64 r180; SYMBOL_PART_DIM "PAD 38RD" at 422.275,303.784 h0.64 r180
TP515: PIN_NUMBER "1" at 452.349,324.104 h1.02 r180; ASSEMBLY_TOP "USERPART#" at 452.755,327.914 h0.64 r180; ASSEMBLY_TOP "TOLERANCE" at 452.755,326.644 h0.64 r180; ASSEMBLY_TOP "NO-POP" at 452.755,324.104 h0.64 r180; SYMBOL_PART_DIM "PAD 38RD" at 452.755,327.914 h0.64 r180
TP516: PIN_NUMBER "1" at 448.285,310.007 h1.02 r270; ASSEMBLY_BOTTOM "USERPART#" at 444.881,310.007 h0.64 r270; ASSEMBLY_BOTTOM "TOLERANCE" at 446.151,310.007 h0.64 r270; ASSEMBLY_BOTTOM "NO-POP" at 448.691,310.007 h0.64 r270; SYMBOL_PART_DIM "PAD 38RD" at 444.881,310.007 h0.64 r270
TP517: PIN_NUMBER "1" at 411.582,297.561 h1.02 r180; SYMB_DIM "TP1-60X40" at 409.448,292.481 h1.02 r180; SYMB_DIM "SM  68X48RD" at 409.448,300.101 h1.02 r180; SYMB_DIM "PAD 60X40RD" at 409.448,295.656 h1.02 r180
TP518: PIN_NUMBER "1" at 421.234,287.274 h1.02 r180; ASSEMBLY_BOTTOM "USERPART#" at 421.64,291.084 h0.64 r180; ASSEMBLY_BOTTOM "TOLERANCE" at 421.64,289.814 h0.64 r180; ASSEMBLY_BOTTOM "NO-POP" at 421.64,287.274 h0.64 r180; SYMBOL_PART_DIM "PAD 38RD" at 421.64,291.084 h0.64 r180
TP519: PIN_NUMBER "1" at 422.504,287.274 h1.02 r180; ASSEMBLY_BOTTOM "USERPART#" at 422.91,291.084 h0.64 r180; ASSEMBLY_BOTTOM "TOLERANCE" at 422.91,289.814 h0.64 r180; ASSEMBLY_BOTTOM "NO-POP" at 422.91,287.274 h0.64 r180; SYMBOL_PART_DIM "PAD 38RD" at 422.91,291.084 h0.64 r180
TP520: PIN_NUMBER "1" at 421.869,292.989 h1.02 r180; ASSEMBLY_TOP "USERPART#" at 422.275,296.799 h0.64 r180; ASSEMBLY_TOP "TOLERANCE" at 422.275,295.529 h0.64 r180; ASSEMBLY_TOP "NO-POP" at 422.275,292.989 h0.64 r180; SYMBOL_PART_DIM "PAD 38RD" at 422.275,296.799 h0.64 r180
TP521: PIN_NUMBER "1" at 419.964,287.274 h1.02 r270; ASSEMBLY_BOTTOM "USERPART#" at 416.56,287.274 h0.64 r270; ASSEMBLY_BOTTOM "TOLERANCE" at 417.83,287.274 h0.64 r270; ASSEMBLY_BOTTOM "NO-POP" at 420.37,287.274 h0.64 r270; SYMBOL_PART_DIM "PAD 38RD" at 416.56,287.274 h0.64 r270